# KiCad board poly_kb.kicad_pcb (continued)
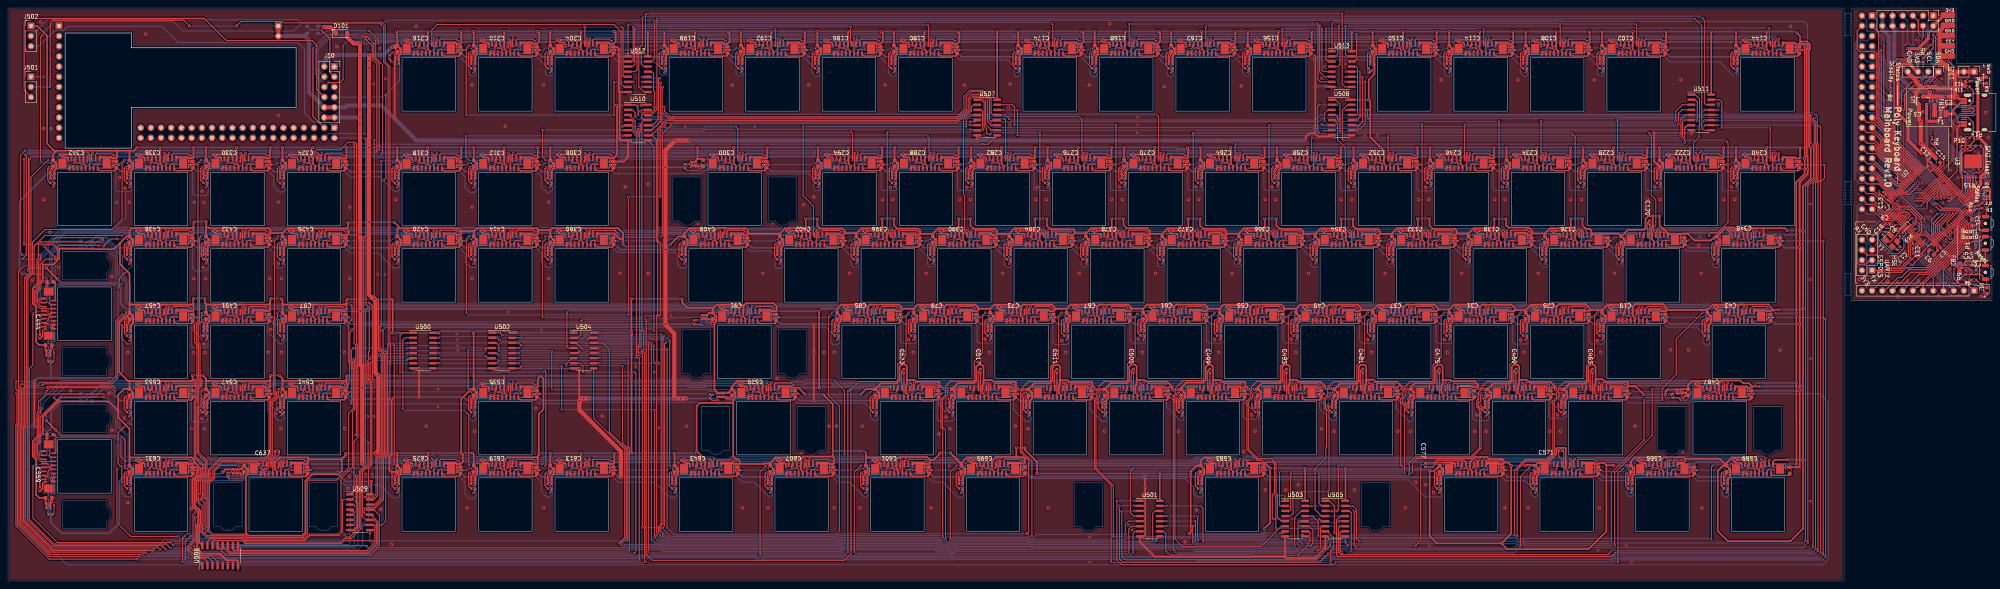
[diagram p0: board, top side]
## Routing (per net, layer and track width the routed paths; a pad name or vN(x,y) marks a point on that pad's centre or on a via; arc(x,y) is an arc through that point) (continued)
K_HanYoung: length 81.1
  Top w0.254: v2(245.78,28.18) 246.02,28.42 J51.10 ; v2(236.2,28.79) 234.62,27.21 v2(234.62,10.36) ; v2(278.23,11.61) 278.23,14.15 279.01,14.92 U501.5
  Bottom w0.254: v2(245.78,28.18) 245.78,28.45 244.97,29.26 240.28,29.26 239.81,28.79 v2(236.2,28.79) ; v2(234.62,10.36) 234.8,10.53 254.04,10.53 254.17,10.66 255.23,10.66 256.18,11.61 v2(278.23,11.61)
K_Home: length 58.6
  Top w0.254: v2(124.33,104.33) 124.57,104.57 J145.10 ; U510.7 153.14,111.13 v2(153.09,111.07) ; v2(114.01,111.01) 114.01,105.67 v2(114.75,104.94)
  Bottom w0.254: 119.3,105.55 119.2,105.55 ; 119.3,105.55 118.97,105.55 118.29,104.86 114.83,104.86 v2(114.75,104.94) ; 119.3,105.55 123.46,105.55 124.33,104.67 v2(124.33,104.33) ; v2(114.01,111.01) 153.02,111.01 v2(153.09,111.07)
K_I: length 62.2
  Top w0.254: U507.15 250.08,118.75 250.6,118.24 v2(250.6,113.74) ; J113.10 276.45,86.83 276.45,87.33 275.89,87.88 v2(275.89,113.77)
  Bottom w0.254: v2(250.6,113.74) 250.62,113.77 v2(275.89,113.77)
K_Insert: length 40.8
  Top w0.254: v2(143.38,104.38) 143.62,104.62 J144.10 ; U510.6 153.07,112.4 v2(153.06,112.39) ; v2(133.12,112.46) 133.09,112.43 133.09,105.7 v2(133.8,104.99)
  Bottom w0.254: 138.35,105.6 138.25,105.6 ; 138.35,105.6 138.02,105.6 137.34,104.91 133.88,104.91 v2(133.8,104.99) ; 138.35,105.6 142.51,105.6 143.38,104.72 v2(143.38,104.38) ; v2(153.06,112.39) 152.99,112.46 v2(133.12,112.46)
K_J: length 146.9
  Top w0.254: v2(291.02,66.28) 291.26,66.52 J20.10 ; v2(329.36,4.6) 329.36,7.47 330.07,8.18 330.07,10.8 328.49,12.38 U505.7 ; v2(274.68,4.8) 274.68,23.88 270.53,28.02 270.53,45.44 271.16,46.07 271.16,47.07 271.33,47.24 271.33,47.31 271.62,47.6 271.62,48.44 272.97,49.78 278.41,49.78 278.74,50.11 278.74,54.1 280.67,56.03 280.67,66.02 v2(281.27,66.63)
  Bottom w0.254: v2(329.36,4.6) 274.88,4.6 v2(274.68,4.8) ; v2(291.02,66.28) 291.02,66.61 290.27,67.36 288.56,67.36 288.53,67.38 287.32,67.38 287.17,67.23 285.4,67.23 284.79,66.63 v2(281.27,66.63)
K_K: length 235.4
  Top w0.254: v2(271.97,66.28) 272.21,66.52 J21.10 ; v2(144.25,60.15) 144.25,60.3 144.59,60.64 U504.15 ; v2(162.94,13.17) 163.5,13.73 163.5,59.1 v2(163.91,59.51) ; v2(262.39,66.89) 261.62,66.12 261.62,55.51 259.66,53.55 259.66,50.15 259.25,49.73 254.12,49.73 252.45,48.07 252.45,47.35 252.11,47.01 252.11,32.12 254.15,30.08 254.15,12.19 v1(253.75,11.79)
  Bottom w0.254: v2(262.39,66.89) 262.47,66.81 265.93,66.81 266.5,67.39 268.29,67.39 268.29,67.39 269.5,67.39 269.5,67.39 271.21,67.39 271.97,66.62 v2(271.97,66.28) ; v2(144.25,60.15) 144.27,60.12 156.03,60.12 156.06,60.15 163.27,60.15 v2(163.91,59.51) ; v2(162.94,13.17) 164.96,11.15 206.18,11.15 206.82,11.79 v1(253.75,11.79)
K_KP_0: length 129.4
  Top w0.254: v2(67.18,28.18) 67.43,28.42 J58.10 ; v2(99.36,58.05) 99.41,58.1 U500.4 ; v2(57.6,28.77) 52.83,28.77 51.4,27.35 51.4,25.59 50.15,24.33 50.15,12.42 50.9,11.67 58.83,11.67 59.65,10.86 73.46,10.86 74.52,11.91 74.52,24.77 74.89,25.14 81.78,25.14 84.8,28.16 84.8,41.82 85.97,42.99 85.97,52.96 85.85,53.08 85.85,54.65 85.49,55 85.49,57.52 v2(86.05,58.08)
  Bottom w0.254: v2(99.36,58.05) 86.51,58.05 86.49,58.08 v2(86.05,58.08) ; v2(67.18,28.18) 67.18,28.51 66.45,29.24 63.64,29.24 63.36,28.95 58.21,28.95 58.03,28.77 v2(57.6,28.77)
K_KP_1: length 276.7
  Top w0.25: v2(122.17,56.27) 121.61,56.83 U502.5
  Top w0.254: v2(76.71,47.23) 76.95,47.47 J42.10 ; v2(49.34,12.3) 49.76,12.72 49.76,24.49 51,25.73 51,27.52 53.19,29.7 62.09,29.7 62.45,29.34 62.45,28.76 63.36,27.85 63.75,27.85 63.87,27.73 64.41,27.73 64.88,28.2 64.88,30.4 65.81,31.32 65.81,44.35 67.36,45.9 v2(67.36,47.83) ; v2(122.17,56.27) 121.69,56.76 121.66,56.76 ; v2(157.22,55.97) 157.18,55.93 v2(157.18,5.15) ; v2(45.49,11.19) 44.16,9.86 v2(44.16,5.15)
  Bottom w0.254: v2(67.36,47.83) 67.86,48.33 75.95,48.33 76.71,47.57 v2(76.71,47.23) ; v2(122.17,56.27) 146.9,56.27 147.02,56.15 147.56,56.15 147.65,56.24 156.86,56.24 157.13,55.97 v2(157.22,55.97) ; v2(44.16,5.15) 44.3,5.01 157.04,5.01 v2(157.18,5.15) ; v2(49.34,12.3) 48.23,11.19 v2(45.49,11.19)
K_KP_2: length 164.7
  Top w0.254: v2(57.66,47.23) 57.9,47.47 J43.10 ; v2(118.94,56.05) 119.42,55.56 U502.6 ; v2(86.05,55.27) 86.23,55.09 86.23,53.24 86.36,53.11 86.36,42.83 85.77,42.24 85.77,28.37 82.92,25.52 82.92,12.46 82.14,11.67 74.94,11.67 73.75,10.47 59.49,10.47 58.68,11.29 49.53,11.29 48.43,12.38 48.43,13.44 48.81,13.82 48.81,19.59 48.07,20.33 48.07,20.86 48.45,21.24 48.45,24.84 49.54,25.93 49.54,30.04 47.49,32.09 47.49,43.08 48.09,43.68 48.09,47.45 v2(48.39,47.76)
  Bottom w0.254: v2(86.05,55.27) 86.92,56.14 90.38,56.14 90.57,55.95 92.67,55.95 92.73,56 99.44,56 99.73,56.3 118.26,56.3 118.51,56.05 v2(118.94,56.05) ; v2(57.66,47.23) 57.66,47.56 56.94,48.28 56.14,48.28 56.11,48.31 55.14,48.31 55.13,48.32 53.92,48.32 53.91,48.31 52.84,48.31 52.29,47.76 v2(48.39,47.76)
K_KP_3: length 307
  Top w0.254: v2(38.61,47.23) 38.85,47.47 J44.10 ; U502.7 121.61,54.29 v2(122.24,54.93) ; v2(3.57,48.07) 3.75,47.9 3.75,38.56 3.49,38.3 3.49,14.65 10.58,7.57 35.57,7.57 v2(35.75,7.39) ; v2(26.58,48.1) 26.14,48.55 9.99,48.55 v2(9.7,48.26) ; v2(154.4,54.95) 154.4,33.59 154.71,33.27 154.71,7.57 v2(154.47,7.33)
  Bottom w0.254: v2(38.61,47.23) 38.61,47.56 37.86,48.31 26.79,48.31 v2(26.58,48.1) 26.49,48.01 ; v2(122.24,54.93) 122.27,54.95 v2(154.4,54.95) ; v2(3.57,48.07) 3.76,48.26 v2(9.7,48.26) ; v2(35.75,7.39) 35.92,7.21 43.22,7.21 43.26,7.25 153.96,7.25 154.04,7.33 v2(154.47,7.33)
K_KP_4: length 278.3
  Top w0.254: v2(76.71,66.28) 76.95,66.52 J26.10 ; v2(67.13,66.89) 67.13,65.52 66.47,64.86 66.47,47.56 66.85,47.17 66.85,45.94 65.41,44.5 65.41,31.52 63.99,30.11 52.77,30.11 50.31,27.65 50.31,25.62 49.3,24.6 49.3,13.32 v2(48.99,13.02) ; v2(43.45,4.77) 43.45,10.66 v2(44.04,11.24) ; v2(158.79,4.77) 158.52,5.04 158.52,56.92 v2(158.34,57.1) ; v2(142.21,57.39) 142.21,57.06 141.98,56.83 U504.5
  Bottom w0.254: v2(43.45,4.77) 43.63,4.59 158.61,4.59 v2(158.79,4.77) ; v2(67.13,66.89) 67.6,67.36 75.98,67.36 76.71,66.62 v2(76.71,66.28) ; v2(44.04,11.24) 44.55,11.75 47.72,11.75 v2(48.99,13.02) ; v2(142.21,57.39) 142.5,57.1 143.47,57.1 143.65,57.27 158.16,57.27 v2(158.34,57.1)
K_KP_5: length 235.9
  Top w0.254: v2(57.66,66.28) 57.9,66.52 J27.10 ; U504.6 140.38,55.56 138.98,54.16 v2(138.98,53.73) ; v2(90.73,10.02) 90.7,10.05 v2(84.58,10.05) ; v2(154,9.99) 154.33,10.33 154.33,33.11 153,34.44 v2(153,53.58) ; v2(47.89,21.66) 47.89,24.82 49.16,26.09 49.16,29.77 47.11,31.81 47.11,43.32 47.5,43.71 47.5,47.85 48.24,48.59 48.24,50.22 47.83,50.62 47.83,59.11 47.36,59.58 47.36,63.79 48.2,64.63 48.2,66.72 v2(48.26,66.78)
  Bottom w0.254: v2(154,9.99) 153.97,10.02 v2(90.73,10.02) ; v2(48.26,66.78) 48.84,67.36 53.81,67.36 53.84,67.38 55.17,67.38 55.19,67.36 56.91,67.36 57.66,66.61 v2(57.66,66.28) ; v2(47.89,21.66) 48.33,21.66 49.9,20.09 49.9,12.18 52.04,10.05 v2(84.58,10.05) ; v2(153,53.58) 152.85,53.73 v2(138.98,53.73)
K_KP_6: length 307.2
  Top w0.254: v2(38.61,66.28) 38.85,66.52 J28.10 ; v2(8.57,48.85) 8.87,49.16 25.85,49.16 27.23,50.54 27.23,64.55 28.79,66.11 29.13,66.11 29.31,66.29 v2(29.31,67.17) ; v2(156.03,52.08) 156.33,51.78 156.33,7.3 v2(155.98,6.95) ; v2(3.5,49.14) 3.01,48.65 3.01,47.8 3.37,47.45 3.37,38.72 3.1,38.46 3.1,14.4 10.33,7.18 34.11,7.18 v2(34.28,7) ; v2(143.17,52.11) 143.17,53.58 142.46,54.29 U504.7
  Bottom w0.254: 156.03,7 v2(155.98,6.95) 155.79,6.77 154.2,6.77 154.14,6.83 44.95,6.83 44.91,6.86 43.42,6.86 43.38,6.83 34.46,6.83 v2(34.28,7) ; v2(8.57,48.85) 8.46,48.75 3.89,48.75 v2(3.5,49.14) ; v2(156.03,52.08) 143.2,52.08 v2(143.17,52.11) ; v2(29.31,67.17) 29.53,67.39 34.93,67.39 36.14,67.39 36.15,67.39 37.82,67.39 38.61,66.6 v2(38.61,66.28)
K_KP_7: length 112.2
  Top w0.25: v2(46.63,17.08) 46.07,16.52 46.07,10.04 44.63,8.6 44.63,7.61 U506.1
  Top w0.254: v2(76.71,85.33) 76.95,85.57 J155.10 ; v2(67.13,85.94) 67.13,85.5 66.34,84.71 66.34,65.27 66.08,65.02 66.08,47.34 66.47,46.96 66.47,46.1 65.02,44.66 65.02,31.78 63.92,30.67 52.79,30.67 49.93,27.81 49.93,25.77 48.83,24.68 48.83,20.75 v2(48.64,20.56)
  Bottom w0.25: v2(48.64,20.56) 47.11,20.56 46.63,20.07 v2(46.63,17.08)
  Bottom w0.254: v2(67.13,85.94) 71.23,85.94 71.71,86.41 72.94,86.41 72.94,86.41 74.24,86.41 74.28,86.38 76,86.38 76.71,85.67 v2(76.71,85.33)
K_KP_8: length 100.4
  Top w0.25: v2(46.63,15.84) 46.61,15.82 46.61,10.01 45.01,8.42 45.01,7.91 47.37,5.55 48.94,5.55 49.65,4.84 U506.2
  Top w0.254: v2(57.66,85.33) 57.9,85.57 J156.10 ; v2(48.08,85.94) 47.69,85.55 47.69,64.66 46.98,63.95 46.98,59.42 47.45,58.95 47.45,50.47 47.86,50.06 47.86,48.75 47.12,48.01 47.12,44.88 46.73,44.49 46.73,31.02 48.77,28.97 48.77,26.25 47.33,24.8 47.33,20.27 v2(47.63,19.96)
  Bottom w0.25: v2(47.63,19.96) 47.63,16.84 v2(46.63,15.84)
  Bottom w0.254: v2(48.08,85.94) 48.55,86.41 53.92,86.41 53.94,86.43 55.15,86.43 55.17,86.41 56.91,86.41 57.66,85.66 v2(57.66,85.33)
K_KP_9: length 155.7
  Top w0.254: v2(38.61,85.33) 38.85,85.57 J157.10 ; v2(39.29,7.91) 38.37,8.83 11.27,8.83 4.9,15.19 4.9,53.07 4.95,53.11 4.95,75.35 6.48,76.89 6.48,83.47 9.16,86.15 v2(28.5,86.15) ; v2(45.57,8.18) 47.82,5.93 49.83,5.93 50.92,4.84 U506.3
  Bottom w0.254: v2(39.29,7.91) 39.61,7.59 43.06,7.59 43.1,7.63 45.03,7.63 v2(45.57,8.18) ; v2(28.5,86.15) 28.75,86.41 34.86,86.41 34.87,86.42 36.08,86.42 36.1,86.41 37.81,86.41 38.61,85.61 v2(38.61,85.33)
K_KP_Div: length 155.5
  Top w0.25: U509.2 83.45,20.32 83.31,20.18 83.31,12.12 82.47,11.29 75.1,11.29 73.91,10.09 59.33,10.09 58.52,10.91 49.37,10.91 48.05,12.23 48.05,13.62 48.35,13.92 48.35,18.76 47.92,19.18
  Top w0.254: v2(57.66,104.38) 57.9,104.62 J148.10 ; v2(48.08,104.99) 47.29,104.2 47.29,64.81 46.44,63.96 46.44,59.41 47.05,58.8 ; 47.05,58.8 47.05,58.67 ; 47.05,58.8 47.05,50.32 47.47,49.9 47.47,48.91 46.73,48.17 46.73,45.14 46.34,44.76 46.34,30.8 48.39,28.75 48.39,26.41 46.94,24.96 46.94,19.84 47.6,19.18 47.92,19.18
  Bottom w0.254: 52.63,105.6 52.53,105.6 ; 52.63,105.6 52.3,105.6 51.61,104.91 48.15,104.91 v2(48.08,104.99) ; 52.63,105.6 56.79,105.6 57.66,104.72 v2(57.66,104.38)
K_KP_DOT: length 149.7
  Top w0.25: v2(92.48,56.52) 92.96,56.04 92.96,32.22 91.63,30.9 91.63,21.57 90.98,20.91 v2(88.89,20.91) ; v2(99.31,56.7) 99.44,56.83 U500.5 ; 41.62,11.11 v2(42.36,11.11)
  Top w0.254: v2(38.61,28.18) 38.85,28.42 J57.10 ; v2(27.13,27.85) 27.13,14.56 30.58,11.11 41.62,11.11
  Bottom w0.25: v2(92.48,56.52) 92.67,56.7 v2(99.31,56.7) ; v2(42.36,11.11) 42.85,10.63 50.89,10.63 52.44,9.08 84.85,9.08 85.22,9.44 85.22,20.11 86.02,20.91 v2(88.89,20.91)
  Bottom w0.254: 33.58,29.4 33.48,29.4 ; 33.58,29.4 33.25,29.4 32.56,28.71 28.04,28.71 27.18,27.85 v2(27.13,27.85) ; 33.58,29.4 37.65,29.4 38.61,28.44 v2(38.61,28.18)
K_KP_Enter: length 161.7
  Top w0.254: J45.10 9.68,29.33 v2(9.92,29.08) ; v2(99.28,54.98) 99.69,55.38 100.69,55.38 U500.6 ; v2(90.17,54.43) 90.17,50.18 90.6,49.75 90.6,28.94 89.75,28.08 v2(89.75,23.38) ; v2(6.19,28.57) 6.19,15.72 12.31,9.6 40.47,9.6 v2(41.12,8.95)
  Bottom w0.254: v2(90.17,54.43) 90.72,54.98 v2(99.28,54.98) ; v2(41.12,8.95) 41.46,9.29 50.61,9.29 51.96,7.93 83.47,7.93 83.5,7.91 84.39,7.91 84.41,7.93 87.25,7.93 88.31,8.99 88.31,14.23 89.75,15.67 v2(89.75,23.38) ; v2(9.92,29.08) 6.7,29.08 v2(6.19,28.57)
K_KP_Minus: length 201.2
  Top w0.254: v2(19.56,104.38) 19.8,104.62 J150.10 ; v2(36.35,7.81) 36.22,7.95 10.84,7.95 3.87,14.92 3.87,38.14 4.14,38.4 4.14,50.83 4.12,50.84 4.12,75.62 5.71,77.21 5.71,100.72 v2(9.98,104.99) ; v2(86.25,17.28) 85.65,17.28 U509.4
  Bottom w0.254: 14.53,105.6 14.43,105.6 ; 14.53,105.6 14.2,105.6 13.51,104.91 10.05,104.91 v2(9.98,104.99) ; 14.53,105.6 18.69,105.6 19.56,104.72 v2(19.56,104.38) ; v2(86.25,17.28) 86.25,8.78 86.17,8.7 52.28,8.7 50.73,10.24 38.78,10.24 v2(36.35,7.81)
K_KP_Mul: length 220.6
  Top w0.254: v2(38.61,104.38) 38.85,104.62 J149.10 ; v2(37.81,7.84) 37.2,8.45 10.89,8.45 4.26,15.08 4.26,37.98 4.52,38.24 4.52,53.23 4.56,53.27 4.56,75.51 6.1,77.05 6.1,84.52 9.22,87.64 25.83,87.64 28.4,90.21 28.4,104.36 v2(29.03,104.99) ; U509.3 85.95,19.05 v2(86.1,18.9)
  Bottom w0.254: 33.58,105.6 33.48,105.6 ; 33.58,105.6 33.25,105.6 32.56,104.91 29.1,104.91 v2(29.03,104.99) ; 33.58,105.6 37.74,105.6 38.61,104.72 v2(38.61,104.38) ; v2(86.1,18.9) 87.14,17.86 87.14,9.12 86.33,8.31 52.12,8.31 50.58,9.86 39.84,9.86 v2(37.81,7.84)
K_KP_NumLk: length 102.1
  Top w0.254: J147.10 76.95,105.8 76.24,106.51 76.24,106.98 76.89,107.63 82.88,107.63 84.67,109.42 86.41,109.42 86.77,109.06 86.77,59.18 87,58.95 87,53.56 87.13,53.43 87.13,35.79 86.15,34.82 86.15,22.59 U509.1
K_KP_Plus: length 109.9
  Top w0.254: J158.10 9.68,67.41 v2(9.92,67.17) ; v2(6.18,66.66) 6.18,53.8 5.29,52.91 5.29,15.37 11.44,9.22 39.4,9.22 v2(40.46,8.16) ; v2(46.32,8.72) 46.32,8.1 48.12,6.31 50.72,6.31 52.19,4.84 U506.4
  Bottom w0.254: v2(9.92,67.17) 6.69,67.17 v2(6.18,66.66) ; v2(46.32,8.72) 46.17,8.88 45.47,8.88 44.74,8.16 v2(40.46,8.16)
K_L: length 219.2
  Top w0.254: v2(252.92,66.28) 253.16,66.52 J22.10 ; v2(158.29,62.28) 158.29,57.88 157.78,57.37 157.78,56.83 157.96,56.65 v2(157.96,13.36) ; v2(140.82,62.59) 140.82,61.97 U504.1 ; v2(243.34,66.89) 242.65,66.19 242.65,56.85 240.61,54.81 240.61,50.09 240.36,49.83 234.73,49.83 233.42,48.53 233.42,46.42 232.28,45.28 232.28,38.32 232.74,37.86 v2(232.74,11.02)
  Bottom w0.254: v2(243.34,66.89) 243.42,66.81 246.88,66.81 247.43,67.36 249.19,67.36 249.21,67.38 250.42,67.38 250.44,67.36 252.18,67.36 252.92,66.62 v2(252.92,66.28) ; v2(157.96,13.36) 161.85,13.36 164.45,10.76 206.34,10.76 206.9,11.33 232.44,11.33 v2(232.74,11.02) ; v2(158.29,62.28) 157.99,62.59 v2(140.82,62.59)
K_LAlt: length 153.3
  Top w0.254: v2(388.65,28.18) 388.89,28.42 J47.10 ; v2(328.8,6.88) 326.65,4.72 277.55,4.72 276.76,5.51 v2(276.76,18.77) ; v2(378.76,28.21) 376.63,26.07 v2(376.63,8.56) ; v2(280.49,18.8) 280.56,18.73 U501.2
  Bottom w0.254: v2(378.76,28.21) 379.08,28.52 383.08,28.52 383.77,29.21 386.55,29.21 386.57,29.23 387.93,29.23 387.95,29.21 387.97,29.21 388.65,28.52 v2(388.65,28.18) ; v2(276.76,18.77) 276.78,18.8 v2(280.49,18.8) ; v2(328.8,6.88) 329.12,6.88 329.94,7.7 332.99,7.7 333.73,6.96 375.03,6.96 v2(376.63,8.56)
K_LAngleBr: length 230.4
  Top w0.254: v2(262.45,47.23) 262.69,47.47 J37.10 ; v2(163.41,61.09) 163.11,60.79 163.11,14.15 162.34,13.38 162.34,12.51 163.15,11.69 v2(163.15,11.26) ; U502.15 125.57,60.71 v2(127.94,60.71) ; v2(254.96,11.22) 254.96,29.82 252.49,32.28 252.49,46.47 v2(252.94,46.92)
  Bottom w0.254: v2(252.94,46.92) 253.3,46.92 254.66,48.28 261.74,48.28 262.45,47.57 v2(262.45,47.23) ; v2(163.15,11.26) 163.4,11.26 164.29,10.38 206.5,10.38 206.93,10.82 232.11,10.82 232.47,10.46 233.01,10.46 233.47,10.92 253.88,10.92 254.18,11.22 v2(254.96,11.22) ; v2(163.41,61.09) 163.23,60.92 155.74,60.92 155.71,60.89 144.88,60.89 144.68,61.09 143.82,61.09 143.43,60.71 v2(127.94,60.71)
K_LBrkt: length 56.3
  Top w0.254: J116.10 219.3,86.82 219.3,87.35 218.92,87.73 v2(218.92,111.96) ; v2(242.82,112.52) 242.69,112.64 242.69,117.13 242.34,117.48 241.37,117.48
  Bottom w0.254: v2(218.92,111.96) 242.27,111.96 v2(242.82,112.52)
K_LCtrl: length 179
  Top w0.254: v2(296.93,18.75) 297.56,18.11 v2(297.56,9.82) ; v2(436.31,28.21) 436.52,28.42 J50.10 ; v2(424.48,28.73) 424.18,28.42 v2(424.18,10.08) ; U501.15 288.48,18.73 v2(288.49,18.75)
  Bottom w0.254: v2(424.48,28.73) 424.89,29.13 432.42,29.13 432.57,29.28 435.52,29.28 436.31,28.49 v2(436.31,28.21) ; v2(288.49,18.75) v2(296.93,18.75) ; v2(424.18,10.08) 423.61,10.65 375.73,10.65 375.57,10.5 328.97,10.5 328.45,9.98 297.72,9.98 v2(297.56,9.82)
K_LEFT: length 84.4
  Top w0.254: v2(143.38,28.18) 143.62,28.42 J54.10 ; U500.1 98.22,61.91 97.61,61.3 v2(97.61,52.06) ; v2(133.81,28.77) 133.93,28.89 133.93,52.06 v2(133.62,52.36)
  Bottom w0.254: 138.35,29.4 138.25,29.4 ; 138.35,29.4 142.51,29.4 143.38,28.52 v2(143.38,28.18) ; 138.35,29.4 134.44,29.4 v2(133.81,28.77) ; v2(97.61,52.06) 133.32,52.06 v2(133.62,52.36)
K_LShift: length 149.4
  Top w0.254: v2(426.75,47.23) 426.99,47.47 J33.10 ; v2(335.68,8.37) 335.23,8.82 v2(335.23,17.35) ; U503.15 323.03,18.69 v2(324.56,18.69) ; v2(409.42,47.85) 409.42,36.35 400.08,27.01 v2(400.08,8.88)
  Bottom w0.254: v2(335.23,17.35) 333.88,18.69 v2(324.56,18.69) ; v2(409.42,47.85) 420.8,47.85 421.28,48.33 423.06,48.33 423.07,48.34 424.28,48.34 424.29,48.33 425.99,48.33 426.75,47.57 v2(426.75,47.23) ; v2(335.68,8.37) 335.85,8.19 374.9,8.19 376.2,9.5 377.06,9.5 377.68,8.88 v2(400.08,8.88)
K_LWin: length 182.7
  Top w0.254: v2(412.46,28.18) 412.71,28.42 J46.10 ; v2(400.89,4.68) 400.89,26.79 v2(402.07,27.98) ; U501.1 280.5,20 v2(280.49,20.02) ; v2(330.71,4.76) 329.99,4.04 277.32,4.04 276.12,5.23 v2(276.12,19.99)
  Bottom w0.254: 407.44,29.4 407.33,29.4 ; 407.44,29.4 411.59,29.4 412.46,28.52 v2(412.46,28.18) ; 407.44,29.4 407.1,29.4 406.24,28.53 403.74,28.53 403.36,28.15 402.25,28.15 v2(402.07,27.98) ; v2(276.12,19.99) 276.15,20.02 v2(280.49,20.02) ; v2(330.71,4.76) 400.81,4.76 v2(400.89,4.68)
K_M: length 93.3
  Top w0.254: v2(281.5,47.23) 281.74,47.47 J36.10 ; U503.7 317.55,11.9 v2(316.74,11.9) ; v2(275.24,11.05) 275.24,23.86 270.91,28.18 270.91,45.25 271.82,46.16 v2(271.82,46.95)
  Bottom w0.254: v2(281.5,47.23) 281.5,47.55 280.77,48.28 279.41,48.28 279.39,48.26 273.77,48.26 272.46,46.95 v2(271.82,46.95) ; v2(316.74,11.9) 313.35,11.9 312.61,11.15 295.22,11.15 295.12,11.05 v2(275.24,11.05)
K_Minus: length 84.7
  Top w0.254: J141.10 229.35,110.63 v2(229.16,110.82) ; v2(156.31,111.18) 156.47,111.33 156.47,112.16 156.17,112.45 156.17,114.69 154.65,116.21 U510.3
  Bottom w0.254: v2(156.31,111.18) 228.8,111.18 v2(229.16,110.82)
K_N: length 78.7
  Top w0.254: v2(300.55,47.23) 300.79,47.47 J35.10 ; U503.6 317.07,13.65 311.95,8.53 292.53,8.53 290.57,10.49 290.57,45.27 290.45,45.39 290.45,46 v2(291.24,46.78)
  Bottom w0.254: v2(291.24,46.78) 291.34,46.78 292.84,48.29 299.83,48.29 300.55,47.57 v2(300.55,47.23)
K_O: length 49.4
  Top w0.254: v2(256.95,111.81) 256.95,87.78 257.4,87.32 257.4,86.82 J114.10 ; 241.37,120.02 242.34,120.02 243.08,119.29 243.08,113.34 243.67,112.74 243.67,111.67 243.97,111.38 v2(244.6,111.38)
  Bottom w0.254: v2(256.95,111.81) 245.03,111.81 v2(244.6,111.38)
K_P: length 34.8
  Top w0.254: J115.10 238.35,86.82 238.35,87.32 238.22,87.45 238.22,96.14 237.92,96.44 237.92,115.24 239.91,117.23 239.91,118.27 240.39,118.75 241.37,118.75
K_Pause: length 67
  Top w0.254: U512.7 153.4,123.2 152.65,123.94 152.65,137.01 150.9,138.76 106.81,138.76 105.53,137.48 J129.10
K_PgDn: length 132.9
  Top w0.254: v2(105.28,85.33) 105.53,85.57 J154.10 ; U506.15 49.65,9.79 50.39,10.52 58.36,10.52 59.17,9.71 82.79,9.71 84.07,10.99 85.11,10.99 87.47,13.35 87.47,27.43 88.94,28.9 88.94,53.76 88.58,54.13 v2(88.58,85.82)
  Bottom w0.254: v2(88.58,85.82) 89.17,86.41 101.55,86.41 101.57,86.43 102.78,86.43 102.78,86.43 104.53,86.43 105.28,85.67 v2(105.28,85.33)
K_PgUp: length 101.3
  Top w0.25: U509.15 91.08,20.32 92.04,21.28 92.04,30.77 93.34,32.07 93.34,56.49 93.02,56.81 93.02,57.62 92.63,58.01 92.63,63.26 92.93,63.56 92.93,104.72 v2(92.99,104.78)
  Top w0.254: v2(105.28,104.33) 105.53,104.57 J146.10
  Bottom w0.254: 100.25,105.55 100.15,105.55 ; 100.25,105.55 104.41,105.55 105.28,104.67 v2(105.28,104.33) ; 100.25,105.55 99.92,105.55 99.15,104.78 v2(92.99,104.78)
K_Plus: length 65.3
  Top w0.254: U510.4 155.34,114.94 155.63,114.66 155.63,112.17 v2(155.91,111.89) ; J142.10 210.3,111.67 v2(209.88,112.09)
  Bottom w0.254: v2(155.91,111.89) 156.34,111.89 156.44,111.78 209.57,111.78 v2(209.88,112.09)
K_PrtScr: length 27.1
  Top w0.254: J127.10 143.62,138.06 v2(143.61,138.07) ; U512.5 153.2,125.74 153.14,125.8 153.14,137.84 v2(152.88,138.1)
  Bottom w0.254: v2(143.61,138.07) 152.86,138.07 v2(152.88,138.1)
K_Q: length 113.2
  Top w0.254: U508.1 330.61,120.02 331.65,118.98 331.65,115.09 331.67,115.07 331.67,112.19 v2(331.65,112.17) ; J105.10 410.32,86.67 409.7,87.29 409.7,88.13 410.32,88.76 410.32,95.06 409.22,96.16 409.22,111.15 v2(408.66,111.71)
  Bottom w0.254: v2(408.66,111.71) 408.2,112.17 336.52,112.17 336.41,112.06 335.87,112.06 335.76,112.17 v2(331.65,112.17)
K_QMark: length 199
  Top w0.254: v2(224.35,47.23) 224.59,47.47 J39.10 ; v2(159.49,59.59) 159.51,59.56 v2(159.51,7.26) ; U502.2 120.59,60.6 121.87,60.6 v2(122.38,60.1) ; v2(209.12,7.21) 209.12,47.29 v2(209.34,47.52)
  Bottom w0.254: v2(224.35,47.23) 224.35,47.56 223.62,48.28 222.34,48.28 221.98,47.93 209.76,47.93 v2(209.34,47.52) ; v2(122.38,60.1) 122.71,59.76 143.8,59.76 143.98,59.59 146.65,59.59 146.7,59.64 159.43,59.64 v2(159.49,59.59) ; v2(209.12,7.21) 208.86,6.95 159.82,6.95 v2(159.51,7.26)
K_Quote: length 179.8
  Top w0.254: v2(214.82,66.28) 215.06,66.52 J24.10 ; U504.3 141.44,59.37 v2(143.05,57.76) ; v2(164.11,57.78) 164.11,13.35 v2(164.17,13.29) ; v2(205.24,66.89) 204.29,65.94 204.29,46.28 207.01,43.56 v2(207.01,12.52)
  Bottom w0.254: v2(164.17,13.29) 165.93,11.53 206.02,11.53 v2(207.01,12.52) ; v2(214.82,66.28) 214.82,66.62 214.06,67.38 212.38,67.38 212.37,67.39 211.16,67.39 211.14,67.38 205.73,67.38 v2(205.24,66.89) ; v2(143.05,57.76) 164.08,57.76 v2(164.11,57.78)
K_R: length 71.5
  Top w0.254: v2(371.3,114.55) 371.3,87.69 372.23,86.76 J108.10 ; U508.4 330.61,116.21 331.1,115.71 v2(331.1,114.8)
  Bottom w0.254: v2(331.1,114.8) 331.3,114.61 351.97,114.61 352.03,114.55 v2(371.3,114.55)
K_RAlt: length 111.8
  Top w0.254: v2(221.96,27.94) 222.21,28.18 J52.10 ; v2(279.1,7.34) 279.1,12.98 279.77,13.65 U501.6 ; v2(212.38,28.79) 210.74,27.15 v2(210.74,7.21)
  Bottom w0.254: v2(221.96,27.94) 221.53,27.94 221.29,28.18 221.29,29.18 221.24,29.23 220.45,29.23 220.38,29.3 218.31,29.3 218.3,29.29 216.94,29.29 216.43,28.79 v2(212.38,28.79) ; v2(279.1,7.34) 236.2,7.34 235.99,7.14 235.07,7.14 234.83,6.89 211.07,6.89 v2(210.74,7.21)
K_RAngleBr: length 215.3
  Top w0.254: v2(243.4,47.23) 243.64,47.47 J38.10 ; v2(233.98,48.1) 233.98,46.44 232.66,45.12 232.66,38.48 233.45,37.69 v2(233.45,10.11) ; U502.1 120.59,61.87 122.56,61.87 v2(123.14,61.29) ; v2(162.64,61.48) 162.64,14.22 161.96,13.54 161.96,11.97 162.44,11.49 v2(162.44,11.06)
  Bottom w0.254: v2(162.64,61.48) 155.76,61.48 155.55,61.27 145.04,61.27 144.83,61.48 143.66,61.48 143.47,61.29 128.24,61.29 128.23,61.29 127.7,61.29 127.69,61.29 v2(123.14,61.29) ; v2(233.98,48.1) 234.16,48.28 242.62,48.28 243.4,47.51 v2(243.4,47.23) ; v2(233.45,10.11) 233.42,10.08 232.31,10.08 231.96,10.43 207.09,10.43 206.66,10 164.13,10 163.42,10.7 162.8,10.7 v2(162.44,11.06)
K_RBrkt: length 73.8
  Top w0.254: J151.10 200.55,86.52 200.55,93.48 197.99,96.04 v2(197.99,113.33) ; 241.37,116.21 239.68,116.21 238.61,115.14 238.61,113.36 v2(238.58,113.33)
  Bottom w0.254: v2(197.99,113.33) v2(238.58,113.33)
K_RCtrl: length 102.9
  Top w0.254: v2(174.34,28.18) 174.58,28.42 J59.10 ; v2(164.76,28.79) 164.76,59.88 v2(164.79,59.91) ; v2(107.31,60.64) U500.15
  Bottom w0.254: 169.31,29.4 169.21,29.4 ; 169.31,29.4 168.98,29.4 168.29,28.71 164.83,28.71 v2(164.76,28.79) ; 169.31,29.4 171.68,29.4 171.81,29.26 173.59,29.26 174.34,28.51 v2(174.34,28.18) ; v2(164.79,59.91) 164.16,60.53 155.9,60.53 155.87,60.5 144.72,60.5 144.52,60.71 143.98,60.71 143.59,60.32 128.46,60.32 128.29,60.14 127.67,60.14 127.17,60.64 122.66,60.64 122.36,60.95 107.61,60.95 v2(107.31,60.64)
K_RIGHT: length 47.7
  Top w0.254: v2(105.28,28.18) 105.53,28.42 J56.10 ; U500.3 100.8,59.3 v2(99.28,59.3) ; v2(95.78,59.3) 96.17,58.9 96.17,29.25 v2(95.7,28.79)
  Bottom w0.254: 100.25,29.4 100.15,29.4 ; 100.25,29.4 104.41,29.4 105.28,28.52 v2(105.28,28.18) ; 100.25,29.4 96.31,29.4 v2(95.7,28.79) ; v2(95.78,59.3) v2(99.28,59.3)
K_RShift: length 81.2
  Top w0.254: v2(188.63,47.23) 188.87,47.47 J40.10 ; v2(135.4,47.74) 135.4,57.39 v2(135.38,57.42) ; U502.3 121.53,59.37 122.24,58.66 v2(122.24,57.47)
  Bottom w0.254: v2(122.24,57.47) 122.29,57.42 v2(135.38,57.42) ; v2(135.4,47.74) 182.92,47.74 183.49,48.31 184.9,48.31 184.92,48.33 186.13,48.33 186.15,48.31 187.89,48.31 188.63,47.57 v2(188.63,47.23)
K_S: length 106.7
  Top w0.254: v2(386.27,66.28) 386.51,66.52 J14.10 ; v2(376.69,66.89) 375.92,66.12 375.92,55.91 373.99,53.98 373.99,49.96 373.71,49.69 368.3,49.69 366.68,48.07 366.68,47.54 366.11,46.96 366.11,45.33 365.75,44.98 365.75,43.34 366.39,42.69 366.39,41.74 366.42,41.72 366.42,41.09 366.39,41.06 366.39,33.17 364.13,30.91 350.39,30.91 348.92,29.44 v2(348.92,26.59) ; v2(326.47,26.49) 326.47,19.33 327.07,18.73 U505.2
  Bottom w0.254: v2(326.47,26.49) 326.62,26.34 348.67,26.34 v2(348.92,26.59) ; v2(376.69,66.89) 377.16,67.36 382.53,67.36 382.56,67.38 383.77,67.38 383.8,67.36 385.47,67.36 386.27,66.56 v2(386.27,66.28)
K_ScrLk: length 80.7
  Top w0.254: J128.10 124.58,133.19 v2(124.33,132.95) ; v2(155.75,124.49) 154.39,124.49 U512.6 ; v2(114.05,116.18) 114.1,116.23 114.1,132.91 v2(114.75,133.56) ; v2(150.95,124.38) 150.88,124.31 v2(150.88,116.21)
  Bottom w0.254: v2(124.33,132.95) 124.33,133.3 123.46,134.17 119.3,134.17 ; 119.3,134.17 118.97,134.17 118.29,133.49 114.83,133.49 v2(114.75,133.56) ; 119.3,134.17 119.2,134.17 ; v2(114.05,116.18) 150.85,116.18 v2(150.88,116.21) ; v2(155.75,124.49) 155.65,124.38 v2(150.95,124.38)
K_Space: length 41.5
  Top w0.254: v2(305.31,28.18) 305.55,28.42 J49.10 ; v2(280.11,28.09) 279.48,27.46 279.48,16.97 280.25,16.19 U501.4
  Bottom w0.254: v2(280.11,28.09) 295.16,28.09 296.33,29.26 304.58,29.26 305.31,28.52 v2(305.31,28.18)
K_T: length 30.8
  Top w0.254: J109.10 334.12,86.63 332.99,87.76 332.99,103.59 333.01,103.61 333.01,108.11 331.06,110.06 331.06,114.05 330.17,114.94 U508.5
K_Tab: length 145
  Top w0.254: v2(433.9,85.33) 434.14,85.57 J101.10 ; v2(427.99,109.55) 428.32,109.22 428.32,89.46 425.65,86.79 423.93,86.79 423.55,86.41 v2(423.55,86.03) ; v2(332.56,109.86) 332.26,110.16 332.26,117.41 333.61,118.75 U508.15
  Bottom w0.254: v2(433.9,85.33) 433.9,85.66 433.15,86.41 431.33,86.41 431.33,86.41 430.12,86.41 430.12,86.41 428.41,86.41 428.03,86.03 v2(423.55,86.03) ; v2(332.56,109.86) 332.61,109.91 427.63,109.91 v2(427.99,109.55)
K_Tilde: length 29.1
  Top w0.254: U511.15 426.2,120.02 426.77,119.46 v2(426.77,113) ; J133.10 438.9,106.3 438.81,106.39 v2(438.81,113.03)
  Bottom w0.254: v2(438.81,113.03) 426.8,113.03 v2(426.77,113)
K_U: length 60.6
  Top w0.254: J112.10 296.02,86.66 295.12,87.56 v2(295.12,111.71) ; 329.63,112.4 329.5,112.27 v2(327.76,112.27)
  Bottom w0.254: v2(327.76,112.27) 325.42,112.27 324.87,111.71 v2(295.12,111.71)
K_UP: length 27.8
  Top w0.254: v2(124.33,47.23) 124.57,47.47 J41.10 ; v2(114.57,48) 114.57,57.52 v2(114.57,57.52) ; v2(118.84,57.49) 118.84,57.85 119.09,58.1 U502.4
  Bottom w0.254: 119.3,48.45 119.2,48.45 ; 119.3,48.45 123.46,48.45 124.33,47.57 v2(124.33,47.23) ; 119.3,48.45 118.97,48.45 118.53,48 v2(114.57,48) ; v2(118.84,57.49) 118.81,57.52 v2(114.57,57.52)
K_V: length 53.7
  Top w0.254: v2(338.65,47.23) 338.89,47.47 J32.10 ; v2(328.65,22.28) 328.96,22.58 328.96,42.25 328.06,43.14 328.06,45.22 329.1,46.26 v2(329.1,46.9) ; v2(319.99,22.25) 319.99,16.79 319.39,16.19 U503.4
  Bottom w0.254: v2(338.65,47.23) 338.65,47.55 337.92,48.28 330.91,48.28 329.53,46.9 v2(329.1,46.9) ; v2(319.99,22.25) 320.01,22.28 v2(328.65,22.28)
K_W: length 102.1
  Top w0.254: U508.2 329.64,118.75 v2(330.86,118.75) ; v2(389.36,111.61) 390.25,110.72 390.25,87.6 391.27,86.57 J106.10 ; v2(326.44,111.71) 326.14,112.01 326.14,118.41 v2(326.47,118.75)
  Bottom w0.254: v2(389.36,111.61) 388.93,111.61 388.81,111.72 336.62,111.72 336.57,111.67 335.71,111.67 335.66,111.72 332.03,111.72 331.92,111.61 326.54,111.61 v2(326.44,111.71) ; v2(326.47,118.75) v2(330.86,118.75)
K_X: length 90.9
  Top w0.254: v2(376.75,47.23) 376.99,47.47 J30.10 ; U503.2 316.7,18.73 316.61,18.82 v2(316.61,27.31) ; v2(366.67,46.69) 366.67,44.84 366.14,44.31 366.14,43.49 366.79,42.84 366.79,41.88 366.8,41.88 366.8,40.93 366.79,40.92 366.79,33.03 364.29,30.53 350.87,30.53 349.73,29.39 v2(349.73,27.03)
  Bottom w0.254: v2(316.61,27.31) 316.69,27.38 325.98,27.38 326.04,27.44 326.89,27.44 326.95,27.38 347.07,27.38 347.14,27.45 347.61,27.45 347.64,27.49 348.84,27.49 349.3,27.03 v2(349.73,27.03) ; v2(376.75,47.23) 376.75,47.57 376.06,48.26 376.04,48.26 376.02,48.28 374.66,48.28 374.64,48.26 368.81,48.26 367.55,47 366.97,47 v2(366.67,46.69)
K_Y: length 43.6
  Top w0.254: v2(314.02,113.67) 314.02,87.66 315.07,86.6 J111.10 ; v2(327.18,113.94) 327.45,113.67 U508.6
  Bottom w0.254: v2(327.18,113.94) 326.9,113.67 v2(314.02,113.67)
K_Z: length 128
  Top w0.254: v2(395.8,47.23) 396.04,47.47 J29.10 ; v2(315.7,13.11) 315.7,21.16 v2(315.54,21.31) ; v2(317.93,21.29) 317.93,20.11 U503.1 ; v2(386.25,46.84) 386.25,45.9 385.07,44.73 385.07,31.82 383.18,29.94 377.98,29.94 375.81,27.77 v2(375.81,11.21)
  Bottom w0.254: v2(386.25,46.84) 386.73,46.84 388.18,48.29 395,48.29 395.8,47.49 v2(395.8,47.23) ; v2(315.7,13.11) 326.47,13.11 328.69,10.88 375.42,10.88 375.75,11.21 v2(375.81,11.21) ; v2(315.54,21.31) 317.91,21.31 v2(317.93,21.29)
KB_LED_ARRAY: length 16.9
  Top w0.292: J10.3 80.14,126.87 80.14,135.2 v2(78.21,137.13)
  Bottom w0.292: LED_INDICATOR101.4 75.33,137.44 77.9,137.44 v2(78.21,137.13)
KCol0: length 18.7
  Top w0.292: U2.81 467.84,108.79 467.84,111.91 J7.21
KCol1: length 20.9
  Top w0.292: U2.82 467.35,108.58 467.35,111.56 464.53,114.37 462.84,114.37 J7.22
KCol2: length 16.5
  Top w0.292: U2.83 466.86,108.36 466.86,110.36 J7.23
KCol3: length 18.8
  Top w0.292: J7.24 462.84,111.83 464.55,111.83 466.37,110.02 466.37,108.15 U2.84
KCol4: length 14.4
  Top w0.292: U2.85 465.87,107.93 465.87,108.8 J7.25
KCol5: length 16.7
  Top w0.292: J7.26 462.99,109.15 464.76,109.15 465.38,108.52 465.38,107.72 U2.86
KCol6: length 12.4
  Top w0.292: U2.87 464.44,107.95 J7.27
KCol7: length 14.8
  Top w0.292: J7.28 462.99,106.61 465.08,106.61 U2.88
KCol8: length 10.8
  Top w0.292: U2.90 471.22,99.06 470.41,99.06 464.19,105.28 J7.29
KCol9: length 13.1
  Top w0.292: U2.91 471,98.56 470.21,98.56 464.71,104.07 462.99,104.07 J7.30
KCol10: length 8.9
  Top w0.292: U2.95 469.59,97.15 469.59,97.47 J7.31
KCol11: length 11.2
  Top w0.292: J7.32 462.84,101.67 464.61,101.67 465.38,100.9 465.45,100.9 469.09,97.27 469.09,96.95 469.23,96.81 469.23,96.8 469.87,96.17 U2.96
KCol12: length 7.4
  Top w0.292: J7.33 465.33,100.33 468.6,97.06 468.6,96.74 468.74,96.6 468.74,96.6 468.88,96.46 468.88,96.45 469.51,95.82 U2.97
KCol13: length 9.7
  Top w0.292: U2.98 469.16,95.46 468.53,96.1 468.53,96.11 468.39,96.25 468.39,96.26 468.25,96.39 468.25,96.4 468.11,96.54 468.11,96.86 465.98,98.99 462.99,98.99 J7.34
KCol14: length 7.2
  Top w0.292: U2.1 468.45,93.52 J7.35
KCol15: length 11.2
  Top w0.292: U2.2 468.17,91.39 467.82,91.39 466.57,92.64 466.57,94.63 464.61,96.59 462.84,96.59 J7.36
KCol16: length 7.6
  Top w0.292: J7.37 466.08,93.35 466.08,92.43 467.61,90.9 468.39,90.9 U2.3
KCol17: length 10.7
  Top w0.292: J7.38 462.99,93.91 464.76,93.91 465.59,93.08 465.59,92.23 467.41,90.41 468.6,90.41 U2.4
KCol18: length 7.3
  Top w0.292: J7.39 466.98,89.92 468.82,89.92 U2.5
KCol19: length 19.4
  Top w0.292: U2.15 475,89.03 475,89.22 475.12,89.35 475.12,90.9 473.37,92.66 v2(472.17,92.66)
  Bottom w0.292: v2(472.17,92.66) 468.21,92.66 466.99,91.43 462.92,91.43 J7.40
KCol20: length 27.5
  Top w0.292: v2(475.23,87.85) 474.53,87.85 U2.16
  Bottom w0.292: v2(475.23,87.85) 473.71,86.33 473.71,80.77 474.6,79.88 474.6,78.74 473.82,77.96 468.12,77.96 465.47,75.31 464.76,75.31 461.84,72.39 461.65,72.39
KRow0: length 29.5
  Top w0.292: U2.39 484.81,87.58 484.81,85.34 477.63,78.16 472.69,78.16 471.51,76.98 468.77,76.98 J4.11
KRow1: length 28
  Top w0.292: J4.10 467.35,72.39 470.65,75.69 471.42,75.69 473.35,77.62 477.79,77.62 485.3,85.14 485.3,87.8 U2.40
KRow2: length 26.5
  Top w0.292: 469.27,72.39 473.85,76.97 477.83,76.97 485.8,84.93 485.8,88.01 U2.41
KRow3: length 25
  Top w0.292: U2.42 486.29,88.23 486.29,84.73 478.04,76.48 475.89,76.48 J4.8
KRow4: length 23.4
  Top w0.292: U2.43 486.78,88.44 486.78,84.52 475.49,73.24 475.19,73.24 J4.7
KRow5: length 22.8
  Top w0.292: U2.44 487.27,88.66 487.27,84.32 476.89,73.93 476.89,72.39
KRow6: length 22.4
  Top w0.292: U2.45 487.76,88.87 487.76,84.12 479.43,75.78 J4.5
KRow7: length 22
  Top w0.292: U2.46 488.26,89.09 488.26,83.91 481.96,77.62 J4.4
LED_ARRAY: length 64.2
  Top w0.292: v2(485.26,91.78) 482.91,89.44 482.91,88.77 U2.38
  Bottom w0.292: J3.3 475.69,139.77 475.69,137.57 476.97,136.29 476.97,136.06 477.54,135.5 477.54,132.68 480.82,129.4 482.45,129.4 483.43,128.43 483.43,121.47 481.77,119.81 481.77,114.15 482.31,113.61 482.31,109.47 489.28,102.5 489.28,96.03 485.26,92 v2(485.26,91.78)
LED_ARRAY_START: length 29.6
  Top w0.254: v2(89.92,137.24) 92.24,134.91 v2(92.24,134.01)
  Bottom w0.254: v2(92.24,134.01) 92.4,134.16 103.72,134.16 103.88,134 LED_120.4
  Bottom w0.292: v2(89.92,137.24) 79.4,137.24 78.7,136.53 LED_INDICATOR101.2
LED_STATUS: length 18.3
  Top w0.292: v2(483.74,85.33) 483.53,85.33 U2.34 ; D2.2 492.76,97.27 v2(491.49,96)
  Bottom w0.292: v2(491.49,96) 487.82,92.33 487.82,88.98 484.18,85.33 v2(483.74,85.33)
MISO1: length 2839.2
  Top w0.254: J118.12 349.41,134.95 v2(349.7,135.23) ; J126.12 173.04,134.95 v2(173.33,135.23) ; J144.12 144.62,106.37 v2(144.91,106.66) ; J145.12 125.57,106.32 v2(125.86,106.61) ; J146.12 106.53,106.32 v2(106.81,106.61) ; J147.12 77.95,106.32 v2(78.23,106.61) ; J148.12 58.9,106.37 v2(59.18,106.66) ; J149.12 39.85,106.37 v2(40.13,106.66) ; J150.12 20.8,106.37 v2(21.08,106.66) ; J25.12 185.11,68.27 v2(185.39,68.56) ; J40.12 189.87,49.22 v2(190.15,49.51) ; J41.12 125.57,49.22 v2(125.86,49.51) ; J47.12 389.89,30.17 v2(390.18,30.46) ; J49.12 306.55,30.17 v2(306.83,30.46) ; J54.12 144.62,30.17 v2(144.91,30.46) ; J56.12 106.53,30.17 v2(106.81,30.46) ; J59.12 175.58,30.17 v2(175.87,30.46) ; J128.12 125.58,134.95 v2(125.86,135.23) ; v2(421.61,107.31) 421.61,107.07 420.85,106.3 J130.12 ; J39.12 225.59,49.22 v2(225.68,49.31) ; v2(216.55,68.27) 216.06,67.78 J24.12 ; v2(211.44,135.23) 211.44,134.22 J124.12 ; v2(261.45,135.23) 261.45,134.22 J122.12 ; v2(406.86,135.23) 406.86,134.22 J102.12 ; J105.12 411.32,87.45 v2(410.98,87.8) ; v2(368.75,68.27) 368.75,67.53 J15.12 ; J32.12 339.89,49.22 v2(339.89,49.22) ; J28.12 40.13,67.53 v2(40.13,68.3) ; v2(230.65,106.66) 230.65,105.65 J141.12 ; J44.12 40.13,48.48 v2(40.13,49.23) ; v2(402.1,106.66) 402.1,105.65 J131.12 ; J154.12 106.81,86.58 v2(106.81,87.35) ; J104.12 368.76,134.22 v2(368.76,135.23) ; v2(144.91,87.35) 144.91,86.58 J110.12 ; v2(344.95,106.66) 344.95,105.65 J135.12 ; J19.12 311.31,67.91 v2(311.68,68.27) ; J21.12 273.21,67.88 v2(273.61,68.27) ; J31.12 358.94,49.22 v2(358.94,49.22) ; v2(287.8,106.66) 287.8,105.65 J138.12 ; J17.12 433.04,67.53 v2(433.04,68.27) ; v2(247.15,30.26) 247.02,30.13 J51.12 ; v2(318.6,135.23) 318.6,134.22 J119.12 ; v2(208.28,31.62) 208.28,47.47 v2(205.74,50.01) ; v2(349.7,68.27) 349.7,67.53 J16.12 ; J55.12 125.86,29.43 v2(125.86,30.21) ; v2(11.44,85.22) 11.82,85.6 23.02,85.6 v2(23.62,85) 23.62,85.32 23.81,85.5 ; J53.12 199.39,30.11 v2(199.68,30.39) ; v2(223.58,30.28) 223.21,29.91 J52.12 ; J139.12 268.75,105.65 v2(268.75,106.66) ; J109.12 335.12,87.32 v2(335.13,87.32) ; J36.12 282.74,49.22 v2(282.74,49.22) ; v2(254.6,68.27) 254.16,67.84 J22.12 ; J134.12 364,105.65 v2(364,106.66) ; J101.12 435.14,86.98 v2(435.48,87.33) ; J117.12 440.19,134.21 v2(440.19,135.24) ; v2(4.21,107.3) 3.06,106.16 3.06,81.83 v2(3.55,81.34) ; v2(68.7,30.18) 68.7,29.42 J58.12 ; v2(40.13,87.38) 39.85,87.09 J157.12 ; v2(280.5,135.23) 280.5,134.22 J121.12 ; J57.12 40.19,29.49 v2(40.19,30.18) ; J20.12 292.26,67.9 v2(292.63,68.27) ; v2(8.11,81.35) 8.11,79.91 7.6,79.4 7.6,74.2 7.8,74 7.8,72.96 7,72.16 7,69.68 8.27,68.41 J158.12 ; J48.12 366.08,30.02 v2(366.37,30.3) ; v2(211.6,106.66) 211.6,105.65 J142.12 ; J27.12 59.18,67.53 v2(59.18,68.3) ; v2(144.93,135.23) 144.93,134.22 J127.12 ; J18.12 330.65,67.53 v2(330.65,68.28) ; v2(428.28,49.35) 427.99,49.07 J33.12 ; v2(8.12,43.12) 8.12,41.83 7.61,41.32 7.61,36.11 7.81,35.91 7.81,34.88 7,34.07 7,31.59 8.27,30.33 J45.12 ; v2(306.85,106.66) 306.85,105.65 J137.12 ; v2(235.59,68.27) 235.11,67.8 J23.12 ; v2(299.55,135.23) 299.55,134.22 J120.12 ; J116.12 220.82,87.32 v2(220.89,87.39) ; v2(397.1,49.28) 397.04,49.21 J29.12 ; v2(91.07,50.06) 90.73,50.39 90.73,68.57 v2(89.92,69.39) ; v2(125.86,87.35) 125.86,86.58 J153.12 ; v2(320.8,49.35) 320.84,49.31 J34.12 ; v2(297.03,87.32) 297.02,87.32 J112.12 ; J46.12 413.71,29.92 v2(413.99,30.2) ; J42.12 78.23,48.48 v2(78.23,49.28) ; J14.12 387.51,67.91 v2(387.88,68.27) ; v2(249.7,106.66) 249.7,105.65 J140.12 ; v2(178.37,87.32) 178.37,86.71 J152.12 ; v2(316.08,87.32) 316.07,87.32 J111.12 ; J151.12 201.77,87.38 v2(201.82,87.42) ; J155.12 78.23,86.58 v2(78.23,87.33) ; v2(437.67,30.59) 437.52,30.44 J50.12 ; J136.12 325.9,105.65 v2(325.9,106.66) ; v2(59.18,49.23) 59.18,48.48 J43.12 ; J125.12 192.39,134.22 v2(192.39,135.23) ; J114.12 258.93,87.32 v2(258.93,87.32) ; J103.12 387.81,134.22 v2(387.81,135.23) ; J38.12 v2(244.64,49.25) ; J143.12 183.03,105.65 v2(183.03,106.66) ; J35.12 v2(301.79,49.22) ; J115.12 239.88,87.32 v2(239.88,87.32) ; v2(92.41,107.54) 92.41,129.05 91.06,130.39 91.06,134.11 89.41,135.77 v2(88.07,135.77) ; v2(391.67,87.86) 392.27,87.25 J106.12 ; v2(106.83,135.23) 106.83,134.22 J129.12 ; v2(277.98,87.32) 277.98,87.32 J113.12 ; v2(263.77,49.23) 263.69,49.15 J37.12 ; J156.12 59.18,86.58 v2(59.18,87.35) ; v2(406.96,68.27) 406.96,67.64 J13.12 ; v2(383.05,106.66) 383.05,105.65 J132.12 ; J30.12 v2(377.99,49.22) ; v2(440.19,106.67) 440.19,105.64 J133.12 ; J123.12 230.49,134.22 v2(230.49,135.23) ; v2(78.23,68.3) 77.95,68.02 J26.12 ; J107.12 354.18,87.32 v2(354.28,87.43) ; v2(373.19,87.44) 373.23,87.41 J108.12